# Altium PCB Daughterboard_Rev1_A.PcbDoc (part 3 of 3)
Units mil, origin at the board's own origin, x right, y up, seen from the top; angles counter-clockwise.
Board outline 2125 x 3350 mil, 8 copper layers (Top Layer, GND 1, Signal 1, GND 2, Signal 2, PWR, GND 3, Bottom Layer), stack 59.978 mil thick; 472 components, 211 nets, 1640 pads, 778 vias.
Unrouted connection lines stored in the file: 738.
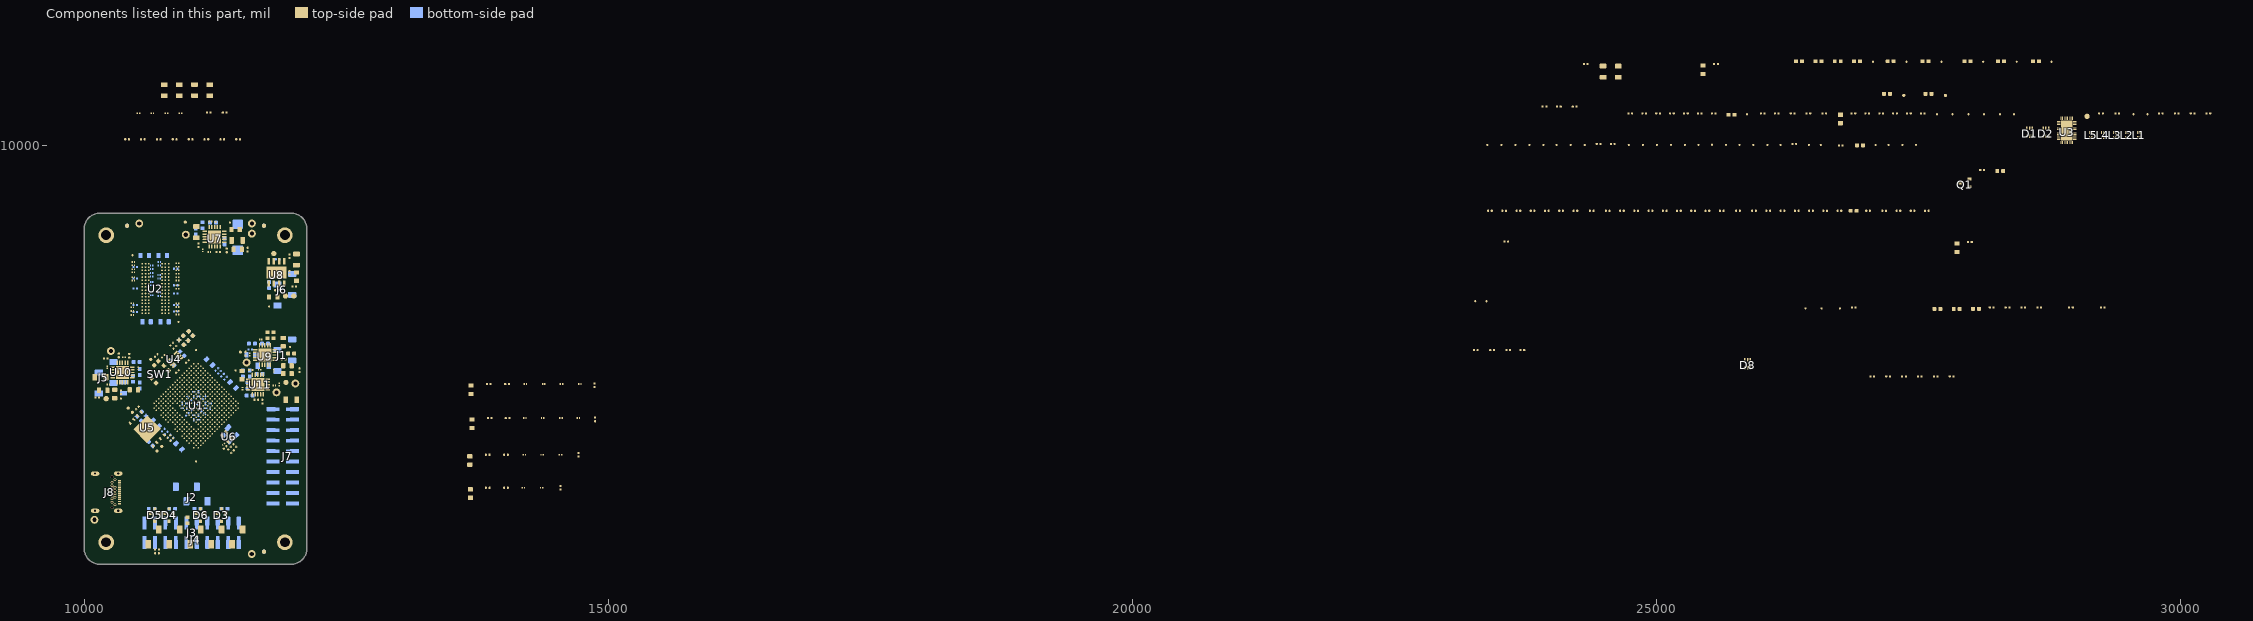
[diagram p9: the components of this part, seen from the top]

## Via types
v1: diameter 16, hole 8, Top Layer to Bottom Layer, tented both sides, 478 vias
v2: diameter 28, hole 16, Top Layer to Bottom Layer, tented both sides, 207 vias
v3: diameter 20, hole 10, Top Layer to Bottom Layer, 92 vias
v4: diameter 16, hole 8, Top Layer to Bottom Layer, 1 vias

## Nets (pads, with @x,y where several pads share a name; then routed paths per layer and width w, separated by ;. In a path a pad name is that pad's centre, name@x,y a point inside that pad or via, vN(x,y) a via of type N, cw(c..) or ccw(c..) an arc to the next point about the centre after c; other vN are vias at no path point) (continued)
copper on no net: | length 5322.8
  Top Layer w10: v1(10644.82,7490.23) 10667.09,7490.23 ; v1(10644.82,7534.77) 10667.09,7534.77 ; v1(10667.09,7557.04) 10689.36,7557.04 ; v1(10689.36,7579.31) 10711.63,7579.31 ; v1(10711.63,7423.42) 10733.91,7423.42 ; v1(10711.63,7467.96) 10733.91,7467.96 ; v1(10711.63,7601.58) 10733.91,7601.58 ; v1(10733.91,7401.14) 10756.18,7401.14 ; v1(10733.91,7445.69) 10756.18,7445.69 ; v1(10733.91,7579.31) 10756.18,7579.31 ; v1(10733.91,7623.86) 10756.18,7623.86 ; v1(10756.18,7378.87) 10778.45,7378.87 ; v1(10756.18,7557.04) 10778.45,7557.04 ; v1(10756.18,7601.58) 10778.45,7601.58 ; v1(10756.18,7646.13) 10778.45,7646.13 ; v1(10778.45,7356.6) 10800.72,7356.6 ; v1(10778.45,7579.31) 10800.72,7579.31 ; v1(10778.45,7623.86) 10800.72,7623.86 ; v1(10778.45,7668.4) 10800.72,7668.4 ; v1(10800.72,7378.87) 10822.99,7378.87 ; v1(10800.72,7601.58) 10822.99,7601.58 ; v1(10800.72,7646.13) 10822.99,7646.13 ; v1(10822.99,7356.6) 10845.26,7356.6 ; v1(10822.99,7579.31) 10845.26,7579.31 ; v1(10822.99,7623.86) 10845.26,7623.86 ; v1(10845.26,7334.33) 10867.53,7334.33 ; v1(10845.26,7557.04) 10867.53,7557.04 ; v1(10845.26,7601.58) 10867.53,7601.58 ; v1(10845.26,7646.13) 10867.53,7646.13 ; v1(10867.53,7445.69) 10889.8,7445.69 ; v1(10867.53,7579.31) 10889.8,7579.31 ; v1(10867.53,7623.86) 10889.8,7623.86 ; v1(10867.53,7668.4) 10889.8,7668.4 ; 10867.53,7735.21 v1(10867.53,7757.48) ; v1(10889.8,7423.42) 10912.07,7423.42 ; v1(10889.8,7601.58) 10912.07,7601.58 ; v1(10889.8,7646.13) 10912.07,7646.13 ; 10889.8,7712.94 v1(10889.8,7735.21) ; 10889.8,7757.48 v1(10889.8,7779.75) ; v1(10912.07,7579.31) 10934.35,7579.31 ; v1(10912.07,7623.86) 10934.35,7623.86 ; 10912.07,7690.67 v1(10912.07,7712.94) ; v1(10934.35,7200.7) 10934.35,7222.98 ; v1(10934.35,7245.25) 10934.35,7267.52 ; v1(10934.35,7601.58) 10956.62,7601.58 ; 10934.35,7668.4 v1(10934.35,7690.67) ; 10934.35,7712.94 v1(10934.35,7735.21) ; 10934.35,7802.02 v1(10934.35,7824.3) ; v1(10956.62,7178.43) 10956.62,7200.7 ; v1(10956.62,7222.98) 10956.62,7245.25 ; v1(10956.62,7579.31) 10978.89,7579.31 ; 10956.62,7646.13 v1(10956.62,7668.4) ; 10956.62,7690.67 v1(10956.62,7712.94) ; 10956.62,7735.21 v1(10956.62,7757.48) ; v1(10978.89,7156.16) 10978.89,7178.43 ; v1(10978.89,7334.33) 10978.89,7356.6 ; 10978.89,7668.4 v1(10978.89,7690.67) ; 10978.89,7712.94 v1(10978.89,7735.21) ; 10978.89,7757.48 v1(10978.89,7779.75) ; 10978.89,7802.02 v1(10978.89,7824.3) ; 10978.89,7846.57 v1(10978.89,7868.84) ; v1(11001.16,7133.89) 11001.16,7156.16 ; v1(11001.16,7312.06) 11001.16,7334.33 ; 11001.16,7646.13 v1(11001.16,7668.4) ; 11001.16,7690.67 v1(11001.16,7712.94) ; 11001.16,7779.75 v1(11001.16,7802.02) ; 11001.16,7824.3 v1(11001.16,7846.57) ; 11001.16,7868.84 v1(11001.16,7891.11) ; v1(11023.43,7156.16) 11023.43,7178.43 ; 11023.43,7668.4 v1(11023.43,7690.67) ; 11023.43,7712.94 v1(11023.43,7735.21) ; 11023.43,7757.48 v1(11023.43,7779.75) ; 11023.43,7802.02 v1(11023.43,7824.3) ; 11023.43,7846.57 v1(11023.43,7868.84) ; 11023.43,7891.11 v1(11023.43,7913.38) ; v1(11045.7,7089.35) 11045.7,7111.62 ; v1(11045.7,7133.89) 11045.7,7156.16 ; v1(11045.7,7222.98) 11045.7,7245.25 ; 11045.7,7646.13 v1(11045.7,7668.4) ; 11045.7,7735.21 v1(11045.7,7757.48) ; 11045.7,7779.75 v1(11045.7,7802.02) ; 11045.7,7824.3 v1(11045.7,7846.57) ; 11045.7,7868.84 v1(11045.7,7891.11) ; 11045.7,7913.38 v1(11045.7,7935.65) ; v1(11067.97,7200.7) 11067.97,7222.98 ; v1(11067.97,7245.25) 11067.97,7267.52 ; 11067.97,7757.48 v1(11067.97,7779.75) ; 11067.97,7846.57 v1(11067.97,7868.84) ; 11067.97,7891.11 v1(11067.97,7913.38) ; v1(11090.24,7089.35) 11090.24,7111.62 ; v1(11090.24,7178.43) 11090.24,7200.7 ; v1(11090.24,7222.98) 11090.24,7245.25 ; v1(11090.24,7267.52) 11090.24,7289.79 ; 11090.24,7735.21 v1(11090.24,7757.48) ; 11090.24,7779.75 v1(11090.24,7802.02) ; 11090.24,7824.3 v1(11090.24,7846.57) ; 11090.24,7868.84 v1(11090.24,7891.11) ; 11090.24,7913.38 v1(11090.24,7935.65) ; v1(11112.51,7156.16) 11112.51,7178.43 ; v1(11112.51,7200.71) 11112.51,7222.98 ; v1(11112.51,7245.25) 11112.51,7267.52 ; v1(11112.51,7289.79) 11112.51,7312.06 ; 11112.51,7712.94 v1(11112.51,7735.21) ; 11112.51,7757.48 v1(11112.51,7779.75) ; 11112.51,7802.02 v1(11112.51,7824.3) ; 11112.51,7846.57 v1(11112.51,7868.84) ; 11112.51,7891.11 v1(11112.51,7913.38) ; v1(11134.79,7133.89) 11134.79,7156.16 ; v1(11134.79,7178.43) 11134.79,7200.7 ; v1(11134.79,7222.98) 11134.79,7245.25 ; v1(11134.79,7267.52) 11134.79,7289.79 ; v1(11134.79,7312.06) 11134.79,7334.33 ; v1(11134.79,7356.6) 11134.79,7378.87 ; v1(11134.79,7401.14) 11134.79,7423.42 ; 11134.79,7646.13 v1(11134.79,7668.4) ; 11134.79,7690.67 v1(11134.79,7712.94) ; 11134.79,7735.21 v1(11134.79,7757.48) ; 11134.79,7779.75 v1(11134.79,7802.02) ; 11134.79,7824.3 v1(11134.79,7846.57) ; 11134.79,7868.84 v1(11134.79,7891.11) ; v1(11157.06,7156.16) 11157.06,7178.43 ; v1(11157.06,7245.25) 11157.06,7267.52 ; v1(11157.06,7289.79) 11157.06,7312.06 ; v1(11157.06,7378.87) 11157.06,7401.14 ; 11157.06,7623.86 v1(11157.06,7646.13) ; 11157.06,7668.4 v1(11157.06,7690.67) ; 11157.06,7712.94 v1(11157.06,7735.21) ; 11157.06,7757.48 v1(11157.06,7779.75) ; 11157.06,7802.02 v1(11157.06,7824.3) ; 11157.06,7846.57 v1(11157.06,7868.84) ; v1(11179.33,7178.43) 11179.33,7200.7 ; v1(11179.33,7222.98) 11179.33,7245.25 ; v1(11179.33,7267.52) 11179.33,7289.79 ; v1(11179.33,7312.06) 11179.33,7334.33 ; v1(11179.33,7356.6) 11179.33,7378.87 ; 11179.33,7601.58 v1(11201.6,7601.58) ; 11179.33,7646.13 v1(11179.33,7668.4) ; 11179.33,7690.67 v1(11179.33,7712.94) ; 11179.33,7735.21 v1(11179.33,7757.48) ; 11179.33,7824.3 v1(11179.33,7846.57) ; v1(11201.6,7200.7) 11201.6,7222.98 ; v1(11201.6,7245.25) 11201.6,7267.52 ; v1(11201.6,7289.79) 11201.6,7312.06 ; v1(11201.6,7334.33) 11201.6,7356.6 ; 11201.6,7401.14 v1(11223.87,7401.14) ; 11201.6,7445.69 v1(11223.87,7445.69) ; 11201.6,7490.23 v1(11223.87,7490.23) ; 11201.6,7579.31 v1(11223.87,7579.31) ; 11201.6,7623.86 v1(11223.87,7623.86) ; 11201.6,7668.4 v1(11201.6,7690.67) ; 11201.6,7712.94 v1(11201.6,7735.21) ; 11201.6,7757.48 v1(11201.6,7779.75) ; 11201.6,7802.02 v1(11201.6,7824.3) ; v1(11223.87,7222.98) 11223.87,7245.25 ; v1(11223.87,7267.52) 11223.87,7289.79 ; v1(11223.87,7312.06) 11223.87,7334.33 ; 11223.87,7378.87 v1(11246.14,7378.87) ; 11223.87,7423.42 v1(11246.14,7423.42) ; 11223.87,7467.96 v1(11246.14,7467.96) ; 11223.87,7601.58 v1(11246.14,7601.58) ; 11223.87,7646.13 v1(11246.14,7646.13) ; 11223.87,7690.67 v1(11223.87,7712.94) ; 11223.87,7735.21 v1(11223.87,7757.48) ; 11223.87,7779.75 v1(11223.87,7802.02) ; v1(11246.14,7245.25) 11246.14,7267.52 ; v1(11246.14,7289.79) 11246.14,7312.06 ; 11246.14,7356.6 v1(11268.41,7356.6) ; 11246.14,7401.14 v1(11268.41,7401.14) ; 11246.14,7445.69 v1(11268.41,7445.69) ; 11246.14,7579.31 v1(11268.41,7579.31) ; 11246.14,7623.86 v1(11268.41,7623.86) ; 11246.14,7668.4 v1(11268.41,7668.4) ; 11246.14,7712.94 v1(11246.14,7735.21) ; 11246.14,7757.48 v1(11246.14,7779.75) ; 11268.41,7334.33 v1(11290.68,7334.33) ; 11268.41,7378.87 v1(11290.68,7378.87) ; 11268.41,7423.42 v1(11290.68,7423.42) ; 11268.41,7467.96 v1(11290.68,7467.96) ; 11268.41,7557.04 v1(11290.68,7557.04) ; 11268.41,7601.58 v1(11290.68,7601.58) ; 11268.41,7646.13 v1(11290.68,7646.13) ; 11268.41,7690.67 v1(11290.68,7690.67) ; 11268.41,7735.21 v1(11268.41,7757.48) ; 11290.68,7312.06 v1(11312.95,7312.06) ; 11290.68,7356.6 v1(11312.95,7356.6) ; 11290.68,7401.14 v1(11312.95,7401.14) ; 11290.68,7490.23 v1(11312.95,7490.23) ; 11290.68,7534.77 v1(11312.95,7534.77) ; 11290.68,7579.31 v1(11312.95,7579.31) ; 11290.68,7623.86 v1(11312.95,7623.86) ; 11290.68,7668.4 v1(11312.95,7668.4) ; 11290.68,7712.94 v1(11312.95,7712.94) ; 11312.95,7334.33 v1(11335.23,7334.33) ; 11312.95,7423.42 v1(11335.23,7423.42) ; 11312.95,7467.96 v1(11335.23,7467.96) ; 11312.95,7512.5 v1(11335.23,7512.5) ; 11312.95,7557.04 v1(11335.23,7557.04) ; 11312.95,7601.58 v1(11335.23,7601.58) ; 11312.95,7646.13 v1(11335.23,7646.13) ; 11312.95,7690.67 v1(11335.23,7690.67) ; 11335.23,7356.6 v1(11357.5,7356.6) ; 11335.23,7401.14 v1(11357.5,7401.14) ; 11335.23,7445.69 v1(11357.5,7445.69) ; 11335.23,7490.23 v1(11357.5,7490.23) ; 11335.23,7534.77 v1(11357.5,7534.77) ; 11335.23,7579.31 v1(11357.5,7579.31) ; 11335.23,7668.4 v1(11357.5,7668.4) ; 11357.5,7378.87 v1(11379.77,7378.87) ; 11357.5,7423.42 v1(11379.77,7423.42) ; 11357.5,7467.96 v1(11379.77,7467.96) ; 11357.5,7512.5 v1(11379.77,7512.5) ; 11357.5,7557.04 v1(11379.77,7557.04) ; 11357.5,7601.58 v1(11379.77,7601.58) ; 11357.5,7646.13 v1(11379.77,7646.13) ; 11379.77,7401.14 v1(11402.04,7401.14) ; 11379.77,7445.69 v1(11402.04,7445.69) ; 11379.77,7490.23 v1(11402.04,7490.23) ; 11379.77,7534.77 v1(11402.04,7534.77) ; 11379.77,7579.31 v1(11402.04,7579.31) ; 11379.77,7623.86 v1(11402.04,7623.86) ; 11402.04,7423.42 v1(11424.31,7423.42) ; 11402.04,7467.96 v1(11424.31,7467.96) ; 11402.04,7512.5 v1(11424.31,7512.5) ; 11402.04,7557.04 v1(11424.31,7557.04) ; 11402.04,7601.58 v1(11424.31,7601.58) ; 11424.31,7445.69 v1(11446.58,7445.69) ; 11424.31,7534.77 v1(11446.58,7534.77) ; 11424.31,7579.31 v1(11446.58,7579.31) ; 11446.58,7467.96 v1(11468.85,7467.96) ; 11446.58,7512.5 v1(11468.85,7512.5) ; 11446.58,7557.04 v1(11468.85,7557.04) ; 11468.85,7490.23 v1(11491.12,7490.23) ; 11468.85,7534.77 v1(11491.12,7534.77)
  Top Layer w12: v1(10538.37,8536.22) 10554.12,8551.97 ; v1(10538.37,8599.21) 10554.12,8614.96 ; v1(10711.6,8614.96) 10727.35,8599.21 10743.09,8583.46 ; 10743.09,8520.47 v1(10758.84,8504.72) ; 10806.09,8614.96 v1(10821.83,8599.21)
  other v1: 11403.43,7143.94 11360,7150 11429.5,7170.5 10889.8,7245.25 10867.53,7267.52 10889.8,7289.79 10800.72,7690.67 10845.26,7690.67 10822.99,7712.94
  other v4: 11382.27,7131.86

## Polygon pours and split planes (outlines as drawn)
GND on Bottom Layer "NONET_L08_P007" (solid, shelved, pour order 7): 10050,9200 cw(c10150,9200) 10150,9300 11975,9300 cw(c11975,9200) 12075,9200 12075,6150 cw(c11975,6150) 11975,6050 10150,6050 cw(c10150,6150) 10050,6150
GND on GND 2 "NONET_L04_P003" (solid, shelved, pour order 3): 10030,9200 cw(c10150,9200) 10150,9320 11975,9320 cw(c11975,9200) 12095,9200 12095,6150 cw(c11975,6150) 11975,6030 10150,6030 cw(c10150,6150) 10030,6150
GND on Signal 2 "NONET_L05_P006" (solid, shelved, pour order 6): 10030,9200 cw(c10150,9200) 10150,9320 11975,9320 cw(c11975,9200) 12095,9200 12095,6150 cw(c11975,6150) 11975,6030 10150,6030 cw(c10150,6150) 10030,6150
GND on Top Layer "NONET_L01_P000" (solid, shelved, pour order 0): 10050,9200 cw(c10150,9200) 10150,9300 11975,9300 cw(c11975,9200) 12075,9200 12075,6150 cw(c11975,6150) 11975,6050 10150,6050 cw(c10150,6150) 10050,6150
GND on GND 3 (split plane): 11984.27,9329.65 11993.5,9328.66 12002.63,9327.01 12011.62,9324.72 12020.42,9321.79 12029,9318.24 12037.29,9314.08 12045.27,9309.35 12052.9,9304.06 12060.12,9298.23 12066.91,9291.91 12073.23,9285.12 12079.06,9277.9 12084.35,9270.27 12089.08,9262.29 12093.24,9254 12096.79,9245.42 12099.72,9236.62 12102.01,9227.63 12103.66,9218.5 12104.65,9209.27 12104.96,9200.59 12104.9,9200 12104.9,6150 12104.96,6149.41 12104.65,6140.73 12103.66,6131.5 12102.01,6122.37 12099.72,6113.38 12096.79,6104.58 12093.24,6096 12089.08,6087.71 12084.35,6079.73 12079.06,6072.1 12073.23,6064.88 12066.91,6058.09 12060.12,6051.77 12052.9,6045.94 12045.27,6040.65 12037.29,6035.92 12029,6031.76 12020.42,6028.21 12011.62,6025.28 12002.63,6022.99 11993.5,6021.34 11984.27,6020.35 11975.59,6020.04 11975,6020.1 10150,6020.1 10149.41,6020.04 10140.73,6020.35 10131.5,6021.34 10122.37,6022.99 10113.38,6025.28 10104.58,6028.21 10096,6031.76 10087.71,6035.92 10079.73,6040.65 10072.1,6045.94 10064.88,6051.77 10058.09,6058.09 10051.77,6064.88 10045.94,6072.1 10040.65,6079.73 10035.92,6087.71 10031.76,6096 10028.21,6104.58 10025.28,6113.38 10022.99,6122.37 10021.34,6131.5 10020.35,6140.73 10020.04,6149.41 10020.1,6150 10020.1,9200.16 10020.1,9200.17 10020.04,9200.72 10020.35,9209.27 10021.34,9218.5 10022.99,9227.63 10025.28,9236.62 10028.21,9245.42 10031.76,9254 10035.92,9262.29 10040.65,9270.27 10045.94,9277.9 10051.77,9285.12 10058.09,9291.91 10064.88,9298.23 10072.1,9304.06 10079.73,9309.35 10087.71,9314.08 10096,9318.24 10104.58,9321.79 10113.38,9324.72 10122.37,9327.01 10131.5,9328.66 10140.73,9329.65 10149.41,9329.96 10150,9329.9 11975,9329.9 11975.59,9329.96
GND on GND 1 (split plane): 11984.27,9329.65 11993.5,9328.66 12002.63,9327.01 12011.62,9324.72 12020.42,9321.79 12029,9318.24 12037.29,9314.08 12045.27,9309.35 12052.9,9304.06 12060.12,9298.23 12066.91,9291.91 12073.23,9285.12 12079.06,9277.9 12084.35,9270.27 12089.08,9262.29 12093.24,9254 12096.79,9245.42 12099.72,9236.62 12102.01,9227.63 12103.66,9218.5 12104.65,9209.27 12104.96,9200.59 12104.9,9200 12104.9,6150 12104.96,6149.41 12104.65,6140.73 12103.66,6131.5 12102.01,6122.37 12099.72,6113.38 12096.79,6104.58 12093.24,6096 12089.08,6087.71 12084.35,6079.73 12079.06,6072.1 12073.23,6064.88 12066.91,6058.09 12060.12,6051.77 12052.9,6045.94 12045.27,6040.65 12037.29,6035.92 12029,6031.76 12020.42,6028.21 12011.62,6025.28 12002.63,6022.99 11993.5,6021.34 11984.27,6020.35 11975.59,6020.04 11975,6020.1 10150,6020.1 10149.41,6020.04 10140.73,6020.35 10131.5,6021.34 10122.37,6022.99 10113.38,6025.28 10104.58,6028.21 10096,6031.76 10087.71,6035.92 10079.73,6040.65 10072.1,6045.94 10064.88,6051.77 10058.09,6058.09 10051.77,6064.88 10045.94,6072.1 10040.65,6079.73 10035.92,6087.71 10031.76,6096 10028.21,6104.58 10025.28,6113.38 10022.99,6122.37 10021.34,6131.5 10020.35,6140.73 10020.04,6149.41 10020.1,6150 10020.1,9200.16 10020.1,9200.17 10020.04,9200.72 10020.35,9209.27 10021.34,9218.5 10022.99,9227.63 10025.28,9236.62 10028.21,9245.42 10031.76,9254 10035.92,9262.29 10040.65,9270.27 10045.94,9277.9 10051.77,9285.12 10058.09,9291.91 10064.88,9298.23 10072.1,9304.06 10079.73,9309.35 10087.71,9314.08 10096,9318.24 10104.58,9321.79 10113.38,9324.72 10122.37,9327.01 10131.5,9328.66 10140.73,9329.65 10149.41,9329.96 10150,9329.9 11975,9329.9 11975.59,9329.96

## Keep-outs
Keep-Out Layer:
  lines w35: 10000,9200 cw(c10150,9200) 10150,9350 11975,9350 cw(c11975,9200) 12125,9200 12125,6150 cw(c11975,6150) 11975,6000 10150,6000 cw(c10150,6150) 10000,6150 10000,9200.17

## Other copper
Top Layer:
  region net GND: 10150,9320 ccw(c10149.99,9200.01) 10030,9200 10030,6150 ccw(c10149.87,6150.12) 10150,6030 11975,6030 ccw(c11975.01,6149.99) 12095,6150 12095,9200 ccw(c11975.01,9200.01) 11975,9320 10280,9320 10280,9300 11975,9300 cw(c11975.1,9200.1) 12075,9200 12075,6150 cw(c11975.01,6149.99) 11975,6050 10150,6050 cw(c10150,6150) 10050,6150 10050,9200 cw(c10150,9200) 10150,9300 10280,9300 10280,9320
  pour cut-out: 10345,6055 10345,6135 10395,6135 10395,6055
  text "1" at 10364,6074 h40
GND 2:
  pour cut-out: 10465,6055 10465,6135 10525,6135 10525,6055
  text "4" at 10481,6074 h40
Signal 2:
  region net GND: 10150,9320 ccw(c10149.99,9200.01) 10030,9200 10030,6150 ccw(c10149.87,6150.12) 10150,6030 11975,6030 ccw(c11975.01,6149.99) 12095,6150 12095,9200 ccw(c11975.01,9200.01) 11975,9320 10280,9320 10280,9300 11975,9300 cw(c11975.1,9200.1) 12075,9200 12075,6150 cw(c11975.01,6149.99) 11975,6050 10150,6050 cw(c10150,6150) 10050,6150 10050,9200 cw(c10150,9200) 10150,9300 10280,9300 10280,9320
  pour cut-out: 10510,6055 10510,6135 10565,6135 10565,6055
  text "5" at 10524,6074 h40
Signal 1:
  region net GND: 10150,9320 ccw(c10149.99,9200.01) 10030,9200 10030,6150 ccw(c10149.87,6150.12) 10150,6030 11975,6030 ccw(c11975.01,6149.99) 12095,6150 12095,9200 ccw(c11975.01,9200.01) 11975,9320 10280,9320 10280,9300 11975,9300 cw(c11975.1,9200.1) 12075,9200 12075,6150 cw(c11975.01,6149.99) 11975,6050 10150,6050 cw(c10150,6150) 10050,6150 10050,9200 cw(c10150,9200) 10150,9300 10280,9300 10280,9320
  pour cut-out: 10425,6055 10425,6135 10480,6135 10480,6055
  text "3" at 10438,6074 h40
PWR:
  region net GND: 10150,9320 ccw(c10149.99,9200.01) 10030,9200 10030,6150 ccw(c10149.87,6150.12) 10150,6030 11975,6030 ccw(c11975.01,6149.99) 12095,6150 12095,9200 ccw(c11975.01,9200.01) 11975,9320 10280,9320 10280,9300 11975,9300 cw(c11975.1,9200.1) 12075,9200 12075,6150 cw(c11975.01,6149.99) 11975,6050 10150,6050 cw(c10150,6150) 10050,6150 10050,9200 cw(c10150,9200) 10150,9300 10280,9300 10280,9320
  pour cut-out: 10555,6055 10555,6135 10610,6135 10610,6055
  text "6" at 10568,6074 h40
Bottom Layer:
  region net GND: 10150,9320 ccw(c10149.99,9200.01) 10030,9200 10030,6150 ccw(c10149.87,6150.12) 10150,6030 11975,6030 ccw(c11975.01,6149.99) 12095,6150 12095,9200 ccw(c11975.01,9200.01) 11975,9320 10280,9320 10280,9300 11975,9300 cw(c11975.1,9200.1) 12075,9200 12075,6150 cw(c11975.01,6149.99) 11975,6050 10150,6050 cw(c10150,6150) 10050,6150 10050,9200 cw(c10150,9200) 10150,9300 10280,9300 10280,9320
  pour cut-out: 10635,6055 10635,6135 10690,6135 10690,6055
  text "8" at 10650,6074 h40
GND 1 (plane layer: these items are gaps in the copper):
  text "2" at 10393,6074 h40
GND 3 (plane layer: these items are gaps in the copper):
  text "7" at 10607,6074 h40

## Silkscreen, mask and mechanical layers (free items; w line width, h text height)
Top Overlay:
  lines w5: 10597,6467 10627,6467 ; 10612,6452 10612,6482 ; 10850,7115 10845,7110 10835,7110 10775,7170 10775,7177.07 10782.07,7184.14 ; 10980,7990 10980,7977.93 10987.07,7970.86 ; 11017.07,8087.07 11010,8080 11002.93,8080 10995.86,8087.07 ; 11197,6462 11227,6462 ; 11202,6453 11222,6453 ; 11207,6444 11217,6444 ; 11212,6462 11212,6482 ; 11850,7850 11850,7840 11845,7835 11835,7835 ; 12060,8654.46 12060,8661.54 12052.93,8668.61 ; 10782.07,7184.14 10782.07,7177.07 10775,7184.14 10782.07,7184.14 ; 10987.07,7970.86 10980,7970.86 10987.07,7977.93 10987.07,7970.86 ; 10995.86,8087.07 11002.93,8087.07 10995.86,8080 10995.86,8087.07 ; 11835,7835 11840,7830 11840,7840 11835,7835 ; 12052.93,8668.61 12052.93,8661.54 12060,8668.61 12052.93,8668.61 ; 10580,9025 10890,9025 10890,9230 10580,9230 10580,9025
  text "TDO" at 10625,6335 h20
  text "PROGn" at 10785,6330 h20
  text "TMS" at 11025,6330 h20
  text "TCK" at 11225,6330 h20
  text "INITn" at 11545,6330 h20
  text "TDI" at 10850,6175 h20
  text "DONE" at 11450,6175 h20
Bottom Overlay:
  lines w5: 10955,7445 10965,7445 10970,7450 10970,7460 ; 10965,7570 10975,7570 10980,7565 10980,7555 ; 11000,7400 11000,7410 11005,7415 11015,7415 ; 11010,7620 11010,7610 11015,7605 11025,7605 ; 11060.27,7567.75 11056.31,7571.71 11049.24,7571.71 11042.17,7564.64 ; 11072.57,7460.36 11079.64,7453.29 11086.71,7453.29 11093.78,7460.36 ; 11125,7410 11125,7420 11120,7425 11110,7425 ; 11135,7630 11135,7620 11130,7615 11120,7615 ; 11175,7455 11165,7455 11160,7460 11160,7470 ; 11175,7575 11165,7575 11160,7570 11160,7560 ; 11620,7740 11610,7740 11605,7745 11605,7755 ; 10970,7460 10975,7455 10965,7455 10970,7460 ; 10980,7555 10985,7560 10975,7560 10980,7555 ; 11015,7415 11010,7420 11010,7410 11015,7415 ; 11025,7605 11020,7600 11020,7610 11025,7605 ; 11042.17,7564.64 11042.17,7571.71 11049.24,7564.64 11042.17,7564.64 ; 11093.78,7460.36 11093.78,7453.29 11086.71,7460.36 11093.78,7460.36 ; 11110,7425 11115,7430 11115,7420 11110,7425 ; 11120,7615 11125,7610 11125,7620 11120,7615 ; 11160,7470 11155,7465 11165,7465 11160,7470 ; 11160,7560 11155,7565 11165,7565 11160,7560 ; 11605,7755 11610,7750 11600,7750 11605,7755
M1_Outline:
  the board outline again, w10
M15_Manufacturing_Notes:
  drawing of 361 lines, arcs and shapes, not listed
  text "Layer" at 14032.89,15182.5 h125
  text "Name" at 14885.21,15182.5 h125
  text "Material" at 16820.51,15182.5 h125
  text "Thickness" at 18610.02,15182.5 h125
  text "Constant" at 19962.18,15182.5 h125
  text "Gerber" at 21147.72,15182.5 h125
  text "FILE LIST:" at 9535,15137 h100
  text "Top Overlay" at 14885.21,14932.5 h125
  text "GTO" at 21147.72,14932.5 h125
  text "Top Solder" at 14885.21,14682.5 h125
  text "Solder Resist" at 16820.51,14682.5 h125
  text "0,40mil" at 18610.02,14682.5 h125
  text "1" at 19962.18,14682.5 h125
  text "GTS" at 21147.72,14682.5 h125
  text "1" at 14032.89,14432.5 h125
  text "Top Layer" at 14885.21,14432.5 h125
  text "0,69mil" at 18610.02,14432.5 h125
  text "GTL" at 21147.72,14432.5 h125
  text "Prepreg 1" at 14885.21,14182.5 h125
  text "2116" at 16820.51,14182.5 h125
  text "4,00mil" at 18610.02,14182.5 h125
  text "4.32" at 19962.18,14182.5 h125
  text "2" at 14032.89,13932.5 h125
  text "GND 1" at 14885.21,13932.5 h125
  text "1,40mil" at 18610.02,13932.5 h125
  text "GP1" at 21147.72,13932.5 h125
  text "Core 1" at 14885.21,13682.5 h125
  text "FR4-TG150" at 16820.51,13682.5 h125
  text "9,40mil" at 18610.02,13682.5 h125
  text "4.5" at 19962.18,13682.5 h125
  text "3" at 14032.89,13432.5 h125
  text "Signal 1" at 14885.21,13432.5 h125
  text "1,40mil" at 18610.02,13432.5 h125
  text "G1" at 21147.72,13432.5 h125
  text "Dielectric 1" at 14885.21,13182.5 h125
  text "7628" at 16820.51,13182.5 h125
  text "7,00mil" at 18610.02,13182.5 h125
  text "4.42" at 19962.18,13182.5 h125
  text "4" at 14032.89,12932.5 h125
  text "GND 2" at 14885.21,12932.5 h125
  text "1,40mil" at 18610.02,12932.5 h125
  text "G2" at 21147.72,12932.5 h125
  text "Core 2" at 14885.21,12682.5 h125
  text "FR4-TG150" at 16820.51,12682.5 h125
  text "9,40mil" at 18610.02,12682.5 h125
  text "4.5" at 19962.18,12682.5 h125
  text "5" at 14032.89,12432.5 h125
  text "Signal 2" at 14885.21,12432.5 h125
  text "1,40mil" at 18610.02,12432.5 h125
  text "G3" at 21147.72,12432.5 h125
  text "Dielectric 2" at 14885.21,12182.5 h125
  text "7628" at 16820.51,12182.5 h125
  text "7,00mil" at 18610.02,12182.5 h125
  text "4.42" at 19962.18,12182.5 h125
  text "6" at 14032.89,11932.5 h125
  text "PWR" at 14885.21,11932.5 h125
  text "1,40mil" at 18610.02,11932.5 h125
  text "G4" at 21147.72,11932.5 h125
  text "Core 3" at 14885.21,11682.5 h125
  text "FR4-TG150" at 16820.51,11682.5 h125
  text "9,40mil" at 18610.02,11682.5 h125
  text "4.5" at 19962.18,11682.5 h125
  text "7" at 14032.89,11432.5 h125
  text "GND 3" at 14885.21,11432.5 h125
  text "1,40mil" at 18610.02,11432.5 h125
  text "GP2" at 21147.72,11432.5 h125
  text ".gtp - Top Solder Paste / .gto - Top Silkscreen / .gts - Top Soldermask /  / .gtl - Top Copper    (Layer 1) / .gp1 - GND Plane     (Layer 2) / .g1  - Inner Copper  (Layer 3) / .g2  - Inner Copper  (Layer 4) / .g3  - Inner Copper  (Layer 5) / .g4  - Inner Copper  (Layer 6) / .gp2 - GND Plane     (Layer 7) / .gbl - Bottom Copper (Layer 8) /  / .gbs - Bottom Soldermask / .gbo - Bottom Silkscreen / .gbp - Bottom Solder Paste /  / .gm1 - Board Outline / .gm2 - Top Assembly / .gm3 - Bottom Assembly / .gm13 - Dimensions / .gm14 - Assembly Notes / .gm15 - Manufacturing Notes / .gm16 - Title Block /  / .gd1 - Drill Drawing / .gg1 - Drill Guide" at 9520,11280 h75
  text "Prepreg 3" at 14885.21,11182.5 h125
  text "2116" at 16820.51,11182.5 h125
  text "4,00mil" at 18610.02,11182.5 h125
  text "4.32" at 19962.18,11182.5 h125
  text "8" at 14032.89,10932.5 h125
  text "Bottom Layer" at 14885.21,10932.5 h125
  text "0,69mil" at 18610.02,10932.5 h125
  text "GBL" at 21147.72,10932.5 h125
  text "Bottom Solder" at 14885.21,10682.5 h125
  text "Solder Resist" at 16820.51,10682.5 h125
  text "0,40mil" at 18610.02,10682.5 h125
  text "1" at 19962.18,10682.5 h125
  text "GBS" at 21147.72,10682.5 h125
  text "Bottom Overlay" at 14885.21,10432.5 h125
  text "GBO" at 21147.72,10432.5 h125
  text "Total board thickness:" at 14032.89,10182.5 h125
  text "60,78mil" at 18610.02,10182.5 h125
  text "ALL COPPER LAYERS ARE 1OZ THICK" at 13890,9940 h100
  text "[3]" at 10592,9188 h30
  text "FABRICATION NOTES: / [1]     FABRICATE TO IPC CLASS 3 STANDARD. / [2]     FABRICATE PCB USING ONLY RoHS COMPLIANT MATERIALS. /            FINAL PRODUCT SHALL BE ACCEPTABLE TO USE IN RoHS ASSEMBLY. / [3]     ADD MANUFACTURING MARKING (LOGO / DATE / UL MARKING / RoHS) ON SILKSCREEN TOP SIDE OF PCB. /            ([.gto], IN AREA MARKED #3 IN MANUFACTURING NOTES LAYER [M15]) / [4]     MATERIAL SHALL MEET UL 94V-0 FAMMABILITY RATING. / [5]     DO NOT APPLY SILKSCREEN OVER EXPOSED COPPER. /            CLIP SILKSCREEN AROUND EXPOSED COPPER. / [6]     DO NOT FILL VIAS OR PLATE OVER. /            TREAT VIA-IN-PAD AS NORMAL PTH VIAS. / [7]     TENT VIAS WITH SOLDERMASK ACCORDING TO SOLDERMASK LAYERS. / [8]     DIAMETERS IN DRILL HOLE TABLE ARE FINISHED SIZES. / [9]    APPLY GREEN TRANSPARENT SOLDERMASK OVER BARE COPPER ACCORDING TO SOLDERMASKS LAYERS. / [10]    APPLY NON-CONDUCTIVE WHITE INK AFTER SOLDERMASK ACCORDING TO SILKSCREEN LAYERS. / [11]    APPLY ENIG OR ENEPIG SURFACE FINISH ON ALL EXPOSED COPPER / [12]    BOW AND TWIST SHALL NOT EXCEED 0.0075 INCH PER INCH. / [13]    ALL SPECIFICATIONS REFERENCED SHALL BE OF THE LATEST REVISION. /            ALL DESIGN MODIFICATIONS MUST BE APPROVED BY CUSTOMER. / [14]    BOARD IS VIEWED FROM PRIMARY SIDE (LAYER 1 - TOP). /            THE STACKUP (SEE STACKUP DETAILS ON MANUFACTURING NOTES [M15]) HAS 8 CONDUCTIVE LAYERS. /            ALL INNER CONDUCTIVE LAYERS ARE 1OZ/INCH THICK +/- 10% /            TOP AND BOTTOM LAYERS ARE HALF OZ THICK +/- 10% / [15]    MINIMUM TRACE WIDTH AND CLEARANCE ARE 5MILS / 5MILS / [16]    MINIMUM HOLE SIZE AFTER PLATING IS 8MILS. REFER TO DRILL TABLE FOR TOLERANCES. / [17]    APPLY SOLDER RESIST BETWEEN ALL SMT PADS. /            FINEST SOLDERMASK NECK IS 3MIL BETWEEN 0201 PADS. /            SOLDERMASK EXPANSION IS SET TO 3MIL ON ALL PADS." at 379,452 h100
M16_Title Block:
  lines w20: 0,3925 300,3925 ; 0,7850 300,7850 ; 0,11775 300,11775 ; 2790,0 2790,300 ; 2790,15400 2790,15700 ; 5570,0 5570,300 ; 5570,15400 5570,15700 ; 8360,0 8360,300 ; 8360,15400 8360,15700 ; 11150,0 11150,300 ; 11150,15400 11150,15700 ; 13935,0 13935,300 ; 13935,15400 13935,15700 ; 16725,0 16725,300 ; 16725,15400 16725,15700 ; 17500,600 22000,600 ; 17500,900 22000,900 ; 17500,1200 19000,1200 ; 19000,300 19000,900 19000,1500 ; 19510,0 19510,300 ; 19510,15400 19510,15700 ; 21100,300 21100,900 ; 22000,3925 22300,3925 ; 22000,7850 22300,7850 ; 22000,11775 22300,11775 ; 17500,300 17500,1500 ; 17500,300 22000,300 ; 17500,300 16100,300 16100,1500 17500,1500 ; 17500,1500 19000,1500 ; 19000,1500 22000,1500 22000,300 ; 22000,300 300,300 300,15400 22000,15400 22000,300 ; 0,0 0,15700 22300,15700 22300,0 0,0
  text "1" at 1376.34,15515 h100
  text "2" at 4157,15515 h100
  text "3" at 6936.34,15515 h100
  text "4" at 9733.01,15515 h100
  text "5" at 12516.35,15515 h100
  text "6" at 15307,15515 h100
  text "7" at 18107,15515 h100
  text "8" at 20887,15515 h100
  text "A" at 125,13657 h100
  text "A" at 22125,13657 h100
  text "B" at 125,9727 h100
  text "B" at 22125,9727 h100
  text "C" at 125,5807 h100
  text "C" at 22125,5807 h100
  text "D" at 125,1877 h100
  text "D" at 22125,1877 h100
  text "ALL DIMENSIONS ARE IN THOUSANDS OF INCHES (MILS)" at 19135,1555 h60
  text "TITLE:" at 19050,1400 h45
  text "PASCAL-EMMANUEL LACHANCE" at 17545,1325 h60
  text "CRYPTUS / DAUGHTERBOARD" at 19360,985 h150
  text "DATE:" at 17550,800 h45
  text "PART NO.:" at 19050,800 h45
  text "REV:" at 21150,800 h45
  text "1_A" at 21420,700 h60
  text ".PRINT_DATE" at 17600,680 h70
  text "FILE NAME:" at 17550,500 h45
  text "DWG NO:" at 19050,500 h45
  text "SCALE:" at 21150,500 h45
  text ".PCB_FILE_NAME_NO_PATH" at 17600,380 h70
  text "1" at 1376.34,125 h100
  text "2" at 4157,125 h100
  text "3" at 6936.34,125 h100
  text "4" at 9733.01,125 h100
  text "5" at 12516.35,125 h100
  text "6" at 15307,125 h100
  text "7" at 18107,125 h100
  text "8" at 20887,125 h100
Drill Drawing:
  circle w10: c410.12,15160.33 r33.33
  lines w10: 376.79,14293.67 443.46,14293.67 410.12,14227 376.79,14293.67 ; 376.79,14377 410.12,14393.67 443.46,14377 426.79,14410.33 443.46,14443.67 410.12,14427 376.79,14443.67 393.46,14410.33 376.79,14377 ; 376.79,14593.67 443.46,14593.67 410.12,14527 376.79,14593.67 ; 376.79,14677 410.12,14693.67 443.46,14677 426.79,14710.33 443.46,14743.67 410.12,14727 376.79,14743.67 393.46,14710.33 376.79,14677 ; 376.79,14843.67 393.46,14843.67 410.12,14827 426.79,14843.67 443.46,14843.67 426.79,14860.33 443.46,14877 426.79,14877 410.12,14893.67 393.46,14877 376.79,14877 393.46,14860.33 376.79,14843.67 ; 376.79,14977 376.79,14993.67 393.46,15010.33 376.79,15027 376.79,15043.67 393.46,15043.67 410.12,15027 426.79,15043.67 443.46,15043.67 443.46,15027 426.79,15010.33 443.46,14993.67 443.46,14977 426.79,14977 410.12,14993.67 393.46,14977 376.79,14977 ; 390.12,14580.33 430.12,14580.33 410.12,14540.33 390.12,14580.33 ; 390.12,14690.33 410.12,14700.33 430.12,14690.33 420.12,14710.33 430.12,14730.33 410.12,14720.33 390.12,14730.33 400.12,14710.33 390.12,14690.33 ; 390.12,14850.33 400.12,14850.33 410.12,14840.33 420.12,14850.33 430.12,14850.33 420.12,14860.33 430.12,14870.33 420.12,14870.33 410.12,14880.33 400.12,14870.33 390.12,14870.33 400.12,14860.33 390.12,14850.33
  lines w15: 317,14182 6443.31,14182 ; 317,15232 6443.31,15232 ; 867.88,14032 867.88,15382 ; 1457.72,14032 1457.72,15382 ; 2577.39,14032 2577.39,15382 ; 3083.27,14032 3083.27,15382 ; 3817.07,14032 3817.07,15382 ; 5316.62,14032 5316.62,15382 ; 317,14032 6443.31,14032 6443.31,15382 317,15382 317,14032
  text "Symbol" at 407,15277 h72
  text "Count" at 912.88,15277 h72
  text "Hole Size" at 1502.72,15277 h72
  text "Plated" at 2622.39,15277 h72
  text "Hole Type" at 3128.27,15277 h72
  text "Drill Layer Pair" at 3862.07,15277 h72
  text "Hole Tolerance" at 5361.62,15277 h72
  text "479" at 912.88,15127 h60
  text "8,00mil (0,203mm)" at 1502.72,15127 h60
  text "PTH" at 2622.39,15127 h60
  text "Round" at 3128.27,15127 h60
  text "Top Layer - Bottom Layer" at 3862.07,15127 h60
  text "+/-2,00mil" at 5361.62,15127 h60
  text "92" at 912.88,14977 h60
  text "10,00mil (0,254mm)" at 1502.72,14977 h60
  text "PTH" at 2622.39,14977 h60
  text "Round" at 3128.27,14977 h60
  text "Top Layer - Bottom Layer" at 3862.07,14977 h60
  text "+/-4,00mil" at 5361.62,14977 h60
  text "219" at 912.88,14827 h60
  text "16,00mil (0,406mm)" at 1502.72,14827 h60
  text "PTH" at 2622.39,14827 h60
  text "Round" at 3128.27,14827 h60
  text "Top Layer - Bottom Layer" at 3862.07,14827 h60
  text "+/-4,00mil" at 5361.62,14827 h60
  text "4" at 912.88,14677 h60
  text "20,00mil (0,508mm)" at 1502.72,14677 h60
  text "PTH" at 2622.39,14677 h60
  text "Slot" at 3128.27,14677 h60
  text "Top Layer - Bottom Layer" at 3862.07,14677 h60
  text "+/-5,00mil" at 5361.62,14677 h60
  text "2" at 912.88,14527 h60
  text "26,00mil (0,660mm)" at 1502.72,14527 h60
  text "NPTH" at 2622.39,14527 h60
  text "Round" at 3128.27,14527 h60
  text "Top Layer - Bottom Layer" at 3862.07,14527 h60
  text "+/-4,00mil" at 5361.62,14527 h60
  text "10" at 912.88,14377 h60
  text "40,00mil (1,016mm)" at 1502.72,14377 h60
  text "PTH" at 2622.39,14377 h60
  text "Round" at 3128.27,14377 h60
  text "Top Layer - Bottom Layer" at 3862.07,14377 h60
  text "+/-8,00mil" at 5361.62,14377 h60
  text "4" at 912.88,14227 h60
  text "95,00mil (2,413mm)" at 1502.72,14227 h60
  text "PTH" at 2622.39,14227 h60
  text "Round" at 3128.27,14227 h60
  text "Top Layer - Bottom Layer" at 3862.07,14227 h60
  text "+/-20,00mil" at 5361.62,14227 h60
  text "810 Total" at 912.88,14077 h60
  text "Slot definitions :" at 407,13932.03 h60
  text "Routed Path Length" at 1439.69,13932.03 h60
  text "= Calculated from tool start centre position to tool end centre position." at 2542.36,13932.03 h60
  text "Hole Length" at 1439.69,13832.05 h60
  text "= Routed Path Length + Tool Size = Slot length as defined in the PCB layout" at 2132.49,13832.05 h60

## Dimensions
10150,9350 to 10150,6000 on M12_Dimensions
10000,9200 to 12125,9200 on M12_Dimensions
11715,6120 to 12125,6150 on M12_Dimensions
11715,6120 to 11975,6000 on M12_Dimensions
10000,9200.17 to 10040,8525 on M13_Dimensions_Secondary
11945,6580 to 11915,6210 on M13_Dimensions_Secondary
11915,6210 to 11945,6580 on M13_Dimensions_Secondary
10104.58,6864.65 to 10000,6150 on M13_Dimensions_Secondary
11915,9140 to 11845,8470 on M13_Dimensions_Secondary
11845,7845 to 11845,8470 on M13_Dimensions_Secondary
10140,7630 to 10210,6210 on M13_Dimensions_Secondary
10210,6210 to 10104.58,6510.32 on M13_Dimensions_Secondary
10575,6250 to 10210,6210 on M13_Dimensions_Secondary
10575,6250 to 10210,6210 on M13_Dimensions_Secondary
10210,6162.5 to -5491,368 on M12_Dimensions
10210,9140 to 10150,9350 on M12_Dimensions
10210,9140 to 11915,9140 on M12_Dimensions
10210,9140 to 10000,9200.17 on M12_Dimensions
10000,9404 to 12125,9404 on M12_Dimensions
9900,9350 to 9900,6000 on M12_Dimensions
10150,9200 to 9793,9456 on M12_Dimensions
12125,9200 to 11985,8770 on M13_Dimensions_Secondary
10460.1,8948.71 to 10150,9350 on M13_Dimensions_Secondary
10460.1,8948.71 to 10000,9200.17 on M13_Dimensions_Secondary

## Text inside footprints (layer, text, board x,y; h text height)
U1: Top Overlay "Y" at 10588.39,7548.16 h30 r315; Top Overlay "20" at 11501.76,7558.48 h30 r315; Top Overlay "A" at 11011.55,7971.31 h30 r315; Top Overlay "1" at 11092.75,7967.5 h30 r315
U2: Top Overlay "9" at 10796.09,8932.56 h30; Top Overlay "1" at 10549.12,8932.56 h30